# KiCad board BEEWATCH MK2.kicad_pcb (continued)
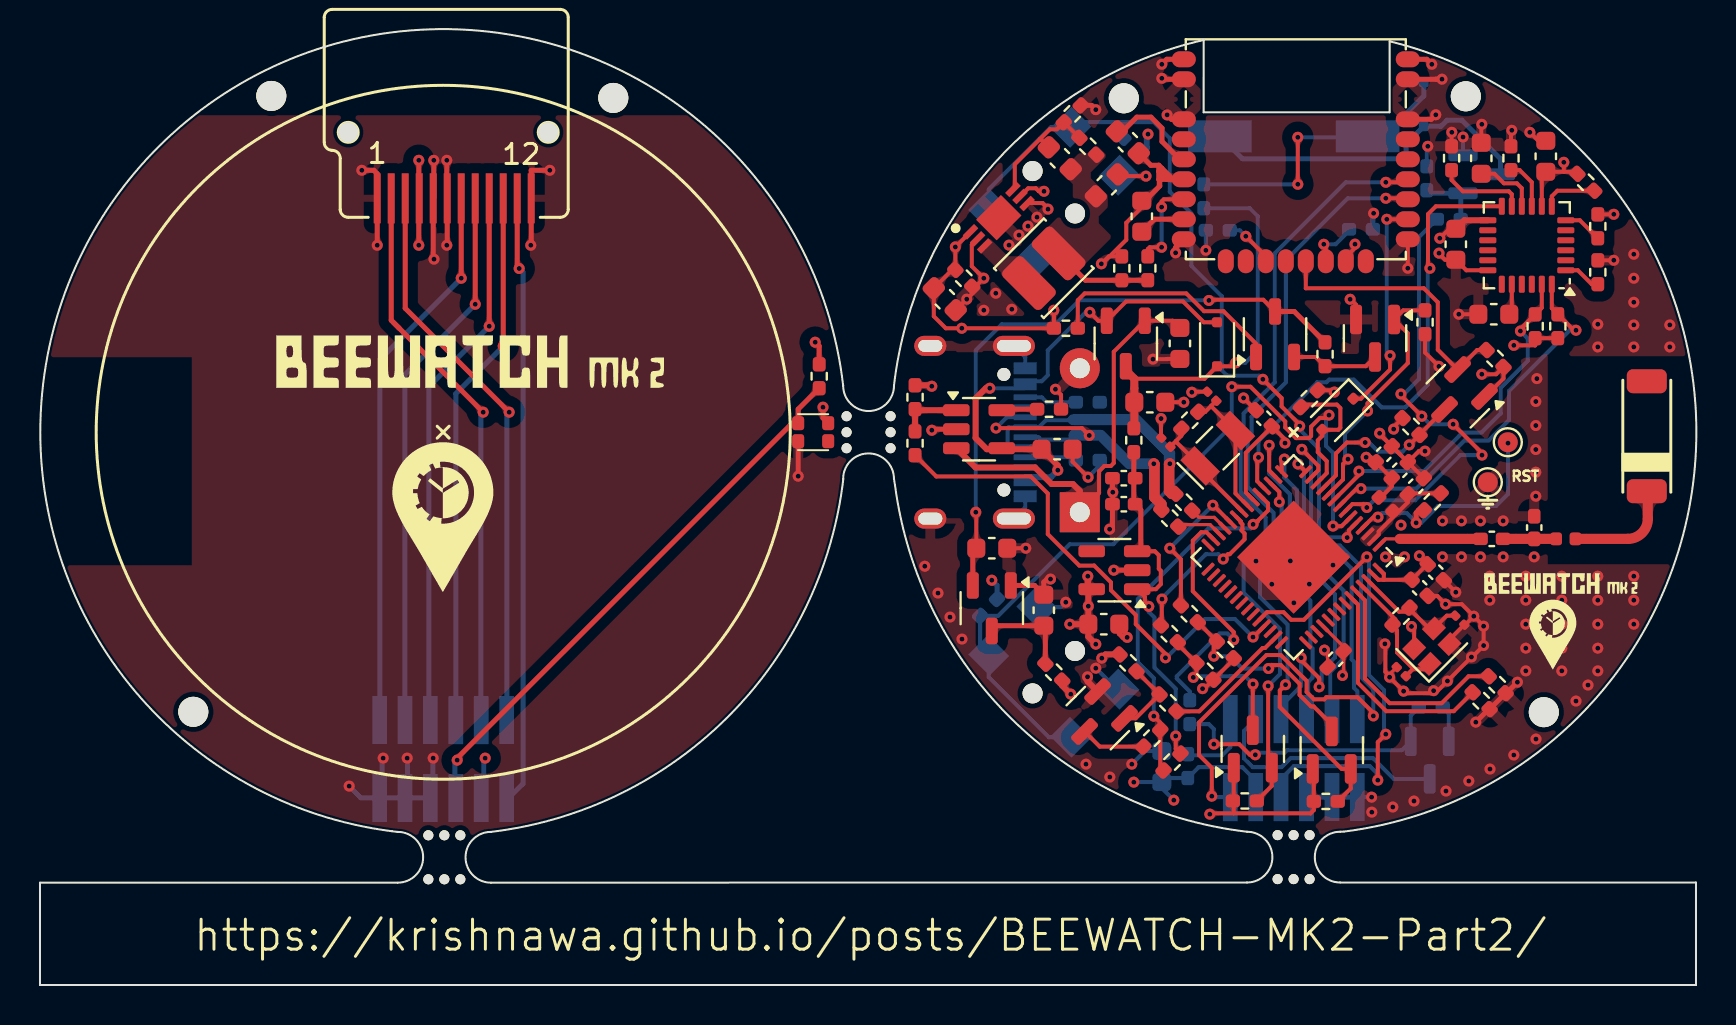
[diagram p0: board, top side]
## Nets (continued)

## Via types
v1: diameter 0.55, hole 0.25, Top to Bottom, 269 vias

## Routing (per net, layer and track width the routed paths; a pad name or vN(x,y) marks a point on that pad's centre or on a via; arc(x,y) is an arc through that point)
+1V8: length 31
  Top w0.2: C31.1 46.82,23.62 v1(46.79,23.64) ; v1(58.44,34.24) 58.45,34.24 58.46,34.24 58.47,34.24 58.5,34.24 58.5,34.24 58.58,34.24 58.59,34.24 58.68,34.24 58.7,34.27 61.17,34.27 Q8.3
  Top w0.25: R24.2 62.71,33.68 Q8.3 ; U8.2 46.64,21.67
  Bottom w0.2: v1(58.44,34.24) 58.43,34.24 51.97,34.24 50.77,33.04 48.09,33.04 46.79,31.74 v1(46.79,23.64)
+3.3V: length 44.4
  Top w0.16: 65.18,16.91 U1.46 ; v1(65.12,15.48) 65.18,15.54 C11.1
  Top w0.2: 76.19,40.67 v1(76.19,41.14) ; 76.19,40.67 C17.1 ; 76.19,40.67 76.77,40.67 ; v1(73.69,31.99) 74.76,31.99 R12.2 ; v1(64.72,29.65) 64.63,29.74 R37.1 ; 67.19,20.26 C5.1 69.37,21.05 ; 67.19,20.26 66.92,20.26 U1.55 ; 67.19,20.26 67.19,20.56 U1.56 ; U1.20 60.29,24.63 60.29,26.61 61.52,27.85 61.59,27.85 ; 70.47,37.82 v1(69.99,37.34) ; 59.69,16.29 R34.2 58.22,14.82 v1(58.13,14.82) ; C10.1 62.25,27.28 v1(62.25,27.1) ; v1(67.68,27.8) 67.68,27.91 R36.2 ; v1(66.31,26.39) 66.54,26.39 C7.1 C8.1 67.59,24.93 66.98,24.33 ; R11.2 74.76,32.35 ; v1(68.97,21.47) C6.1 ; R15.2 78.69,38.54 v1(78.69,38.54) ; U3.8 75.09,40.47
  Top w0.3: v1(52.39,20.44) 52.39,19.99 U5.5 52.42,19.62 v1(52.42,18.94) C24.1 ; v1(44.59,29.94) 44.54,29.99 R22.2 ; C14.1 71.22,38.25 72.39,38.25 ; C24.1 52.42,17.42 v1(52.79,17.04) ; C24.1 v1(51.49,18.04) ; v1(51.54,14.54) 51.11,14.97 R43.1
  Bottom w0.2: 56.29,10.35 R19.2 57.94,10.89 60.11,10.89 60.79,10.22 ; v1(54.69,10.14) 54.7,10.15 C18.1 ; 56.09,9.84 v1(56.69,9.24)
  Bottom w0.25: v1(47.59,20.24) 47.85,19.98 R5.2
  Bottom w0.3: R3.2 55.34,41.85 55.34,42.49 v1(55.4,42.55)
+VBAT: length 19.4
  Top w0.2: 54.72,30.32 58.23,30.32 D2.1 59.61,30.94 v1(59.79,31.12)
  Top w0.4: 54.29,30.74 54.72,30.32 54.72,27.87
  Bottom w0.2: v1(59.79,31.12) 60.26,31.12 60.89,31.74 60.89,38.44 60.49,38.85 R53.1
/Battery&BMS/+3V3_IN: length 4.5
  Top w0.25: C30.1 47.85,17.97 U8.3 ; R43.2 50.27,17.89
/Battery&BMS/+VBAT_IN: length 18.2
  Top w0.2: U5.3 55.74,21.69 55.94,21.49 55.94,20.82 56.04,20.72 56.04,20.04 55.79,19.79 U5.1 55.25,19.41 55.25,19.05 55.37,18.93 v1(55.44,18.93) ; R44.1 56.79,11.81 v1(56.79,12.45)
  Top w0.25: U5.3 55.04,21.87 55.04,23.76 C23.1 ; R48.2 54.69,24.11
  Bottom w0.2: v1(55.44,18.93) 55.44,18.66 55.72,18.38 55.72,15.88 56.79,14.81 v1(56.79,12.45)
/Battery&BMS/VBAT: length 21.1
  Top w0.2: BT1.1 52.95,24.61 52.95,25.69 53.22,25.95 53.54,25.95 53.69,26.1 53.69,31.67 Q3.1 56.64,33.22 C20.1
  Top w0.3: U4.3 46.78,25.88 49.75,25.88 50.58,25.05 51.64,25.05 51.99,24.71 BT1.1
/Display board/3V3: length 8.4
  Top w0.25: R6.2 38.96,31.95 v1(38.76,32.15) ; 39.21,28.9 v1(39.15,28.9) 39.15,28.36 D1.1 ; v1(18.94,41.24) 18.94,39.36 ; 18.94,39.32 v1(18.94,36.99)
  Bottom w0.25: v1(22.26,11.35) 22.19,11.27 22.19,9.36
/RYS8830/+0.92V: length 8.1
  Top w0.2: 55.39,35.24 R28.2 52.28,35.24
  Top w0.25: R49.1 52.27,35.25 L3.2
GND: length 91.9
  Top w0.16: v1(64.22,16.75) 64.38,16.59 C11.2 ; C1.2 67.47,15.52 67.41,15.52
  Top w0.2: v1(69.95,36.6) 69.95,36.57 70.25,36.27 C14.2 71.32,35.74 U3.18 ; 46.77,34.92 v1(47.19,35.34) 46.59,35.94 46.59,37.02 46.92,37.36 ; 67.27,17.04 67.27,15.67 67.41,15.52 67.41,15.46 v1(67.48,15.39) v1(68.18,14.69) 68.28,14.59 69.56,14.59 v1(69.68,14.72) 69.89,14.72 v1(70.37,15.2) v1(71.57,16.4) 71.61,16.4 v1(72.18,16.98) v1(72.18,17.94) 72.18,17.95 v1(71.69,18.44) ; v1(50.4,38.8) 50.4,38.83 50.13,39.11 49.38,39.11 ; v1(69.95,30.94) 69.25,31.63 R50.1 ; C3.2 57.62,29.67 v1(57.59,29.64) ; v1(55.65,31.3) 56.35,31.3 56.36,31.31 C20.2 ; R20.2 51.05,29.51 v1(50.77,29.79) ; v1(55.3,40.45) 53.98,40.45 C29.1 ; 69.19,26.64 v1(69.25,26.7) 68.95,26.7 C8.2 ; 56.06,27.47 56.05,27.48 56.05,28.33 v1(56.05,28.33) ; U7.16 v1(68.39,35.84) ; Q4.2 65.8,34.02 65.53,34.29 v1(65.51,34.29) ; v1(46.34,34.3) C25.2 46.61,34.57 R25.1 ; R13.1 70.58,42.63 v1(70.59,42.64) ; v1(73.59,42.74) 73.55,42.7 R42.1 ; v1(78.69,36.24) 78.69,36.24 R14.1 ; v1(72.09,43.04) 72.06,43.02 C15.2 ; C9.2 C8.2 ; C8.2 66.98,27.56 ; 74.92,42.22 v1(74.49,42.64) ; v1(71.69,18.44) 71.26,18.02 ; v1(71.69,18.44) 71.09,19.04 v1(70.28,19.04) 69.86,19.46 C5.2 ; C10.2 v1(60.18,29.36) ; 66.98,27.56 v1(66.98,27.59) ; 66.98,27.56 C7.2 68.04,26.49 ; Y1.4 68.71,17.77 68.57,17.9 v1(68.57,17.93) ; v1(70.94,33.54) C16.2 ; 70.47,17.28 C2.2 ; v1(57.19,29.14) C21.2 ; v1(52.4,25.39) 51.63,26.17 C19.2 ; C31.2 v1(49.29,21.84) ; C6.2 v1(70.79,19.64)
  Top w0.25: 53.64,24.06 v1(53.64,24.64) 53.62,24.66 C22.2 ; v1(50.53,20.3) 50.35,20.3 50.19,20.15 C30.2 49.73,19.98 U8.1 ; v1(54.36,17.38) 54.15,17.38 53.97,17.57 C24.2 ; U7.7 56.78,36.88 v1(56.78,36.62) ; v1(53.48,22.79) 53.62,22.94 C23.2 ; v1(70.1,45.3) 69.8,45.3 69.8,45.29 U7.G3 ; U7.G2 56.14,45.29 v1(56.09,45.34) ; v1(52.79,43.77) 52.58,43.99 R26.1 ; U7.G1 56.34,46.29 v1(56.09,46.04) ; U4.2 44.64,27.79 v1(44.59,27.74) ; R51.2 R52.1 ; v1(69.59,46.04) 69.34,46.29 U7.G4 ; 72.44,13.79 v1(71.79,13.14) ; 73.32,14.59 v1(73.87,15.14) ; U5.2 v1(53.69,20.74) ; v1(56.36,43.51) 56.58,43.29 U7.1 ; U7.22 69.57,43.29 v1(69.79,43.52)
  Top w0.3: v1(52.38,15.41) 52.38,15.18 Q9.2 ; v1(53.09,16.34) 53.28,16.53 R47.2
  Bottom w0.2: J1.B1 49.26,31.4 J1.S1 ; 52.99,25.98 v1(52.4,25.39) ; v1(69.39,41.94) 69.34,41.89 R10.1 ; v1(54.59,11.04) 55.25,11.7 C18.2 ; J3.12 v1(66.58,9.39) ; J1.S1 49.26,23.89 J1.A1 ; v1(51.29,19.14) 51.04,18.9 SW2.4 ; 53.84,14.8 v1(52.79,15.84) ; R29.1 v1(58.29,36.74) ; Q2.2 70.44,13.58 R18.2 ; Q1.2 v1(71.15,42.41)
  Bottom w0.25: R30.1 66.64,38.56 v1(66.68,38.59) ; J3.8 J3.12
  vias: v1(44.24,20.94) v1(44.9,19.6) v1(45.5,18.4) v1(46.1,17.3) v1(47.19,33.74) v1(47.79,34.59) v1(48.45,37) v1(48.59,33.79) v1(48.95,37.5) v1(49.4,37.95) v1(49.85,38.4) v1(52.3,11.04) v1(53.49,10.4) v1(60.8,21.2) v1(61.59,20.04) v1(62.52,21.21) v1(62.69,19.11) v1(63.47,20.05) v1(64.65,21) v1(66.59,8.64) v1(67.27,21.41) v1(67.25,17.06) v1(67.64,8.9) v1(68.05,23) v1(68.22,21.41) v1(68.7,9.2) v1(70.12,23.21) v1(70.12,21.41) v1(70.3,9.7) v1(71.07,23.21) v1(71.07,21.41) v1(71.44,10.2) v1(72.02,23.21) v1(72.02,21.41) v1(72.49,20.44) v1(72.49,19.24) v1(72.5,10.8) v1(73.16,23.21) v1(73.16,21.41) v1(73.69,11.5) v1(74.29,20.44) v1(74.29,19.24) v1(74.29,18.04) v1(74.29,16.84) v1(74.29,15.71) v1(74.79,29.18) v1(74.79,27.98) v1(74.79,26.78) v1(74.79,25.64) v1(74.79,24.44) v1(74.71,21.41) v1(74.8,12.3) v1(74.84,30.33) v1(76.09,20.44) v1(76.09,19.24) v1(76.09,18.04) v1(76.09,16.84) v1(76.09,15.71) v1(76.8,14.2) v1(77.4,15) v1(77.89,33.04) v1(77.89,31.91) v1(77.89,20.44) v1(77.89,19.24) v1(77.89,18.04) v1(77.89,16.84) v1(77.89,15.71) v1(79.69,36.54) v1(79.69,35.34) v1(79.69,34.14) v1(79.69,33.01) v1(79.69,31.91) v1(79.69,20.44) v1(79.69,19.24) v1(79.69,18.04) v1(81.49,33.01) v1(81.49,31.91)
VBUS: length 24.1
  Top w0.2: D2.2 58.19,33.14 57.15,34.18 54.3,34.18 Q3.2 52.92,33.22 v1(52.49,33.64)
  Top w0.3: v1(50.89,25.74) 50.89,25.98 C19.1 47.34,26.79 46.78,27.35 46.78,29.33 47.29,29.84 v1(47.49,29.84)
  Bottom w0.2: 49.21,29.84 v1(47.49,29.84) ; J1.A9 50.09,30.19 50.39,30.5 50.39,31.74 52.29,33.64 v1(52.49,33.64)
  Bottom w0.3: v1(50.89,25.74) 50.54,25.39 J1.B9
VDD3P3_RTC: length 4.8
  Top w0.2: L1.1 67.8,23.54 ; 67.8,23.54 66.93,22.68 66.93,22.54 U1.2 ; 67.8,23.54 68.39,24.13 C9.1 ; R40.2 68.44,24.59
/ACCELEROMETER/MPU_INT: length 25.8
  Top w0.2: v1(60.93,26.39) 60.86,26.32 60.86,25.19 U1.18 ; U3.12 69.79,38.94 69.4,38.55 69.4,35.93 v1(69.5,35.84)
  Bottom w0.2: v1(69.5,35.84) 69.39,35.73 69.39,30.01 68.26,28.89 67.08,28.89 65.69,30.28 64.46,30.28 64.33,30.14 63.86,30.14 60.93,27.21 v1(60.93,26.39)
/ACCELEROMETER/MPU_SCL: length 19.5
  Top w0.2: 75.03,33.81 73.99,32.77 73.99,32.73 v1(74.02,32.7) 74.03,32.71 74.03,32.79 74.76,33.52 ; 75.03,33.81 R12.1 ; 75.03,33.81 75.09,33.87 U3.23 ; v1(65.95,25.7) 66.04,25.61 66.04,25.6 U1.9
  Bottom w0.2: v1(65.95,25.7) 69.2,25.7 71.12,27.63 72.08,27.63 73.04,28.59 73.04,29.86 74.39,31.22 74.39,32.33 v1(74.02,32.7)
/ACCELEROMETER/MPU_SDA: length 19.2
  Top w0.2: v1(76.8,32.74) 76.7,32.84 76.59,32.84 R11.1 75.59,33.84 U3.24 ; U1.8 65.83,24.82 v1(66.05,24.82)
  Bottom w0.2: v1(66.05,24.82) 68.82,24.82 71.22,27.23 72.43,27.23 73.45,28.25 73.45,29.71 76.48,32.74 v1(76.8,32.74)
/Battery&BMS/BAT_SENSE_EN: length 6.5
  Top w0.2: R46.1 57.96,13.69 61.13,16.85 61.25,16.85 U1.41
/Battery&BMS/CHG_ST: length 24.9
  Top w0.2: v1(56.27,16.36) 56.27,16.56 54.79,18.04 54.79,18.5 53.55,19.74 53.55,20.13 52.71,20.98 51.96,20.98 50.39,22.55 50.39,24.58 49.54,25.43 44.82,25.43 R21.2 ; U1.39 60.67,17.4 v1(60.65,17.4)
  Bottom w0.2: v1(60.65,17.4) 59.75,18.3 58.25,18.3 56.31,16.36 v1(56.27,16.36)
/Display board/_GND: length 30.4
  Top w0.25: v1(24.54,36.99) 24.56,37.02 DS1.12 24.56,40.74 v1(25.49,40.74) ; v1(20.34,41.24) 20.34,39.36 ; v1(16.09,40.74) 16.69,40.74 16.86,40.57 DS1.1 v1(16.86,36.99) ; v1(19.7,36.3) 19.66,36.34 DS1.5 ; D1.3 v1(37.91,25.45) ; v1(19.69,41.24) 19.69,39.37 ; DS1.6 20.36,37.02 v1(20.34,36.99)
  Bottom w0.25: 17.11,9.36 17.11,11.29 v1(17.16,11.35) ; v1(19.66,11.35) 19.65,11.33 19.65,9.36 16.04,9.36 v1(15.46,9.95) ; 18.38,9.36 18.38,11.33 v1(18.36,11.35)
/Display board/_LED: length 28.4
  Top w0.25: v1(20.86,11.25) 20.86,11.35 37.61,28.1 D1.2 ; D1.2 37.91,28.8 R6.1 ; D1.2 37.71,28.1
  Bottom w0.25: v1(20.86,11.25) 20.74,11.13 20.74,9.39
/Display board/CS: length 27.4
  Top w0.25: DS1.8 v1(21.76,34.04)
  Bottom w0.25: v1(21.76,34.04) 18.24,30.52 18.24,13.4
/Display board/D/C: length 27.6
  Top w0.25: DS1.7 v1(21.06,35.34)
  Bottom w0.25: v1(21.06,35.34) 16.99,31.27 16.99,13.38
/Display board/LED_A: length 28.2
  Top w0.25: v1(23.46,28.65) 18.26,33.84 DS1.3
  Bottom w0.25: 23.34,13.38 23.34,28.53 v1(23.46,28.65)
/Display board/LED_K: length 28.3
  Top w0.25: v1(22.16,28.65) 17.95,32.85 ; 17.95,32.85 17.66,33.15 ; 17.95,32.85 17.56,33.24 DS1.2
  Bottom w0.25: v1(22.16,28.65) 22.04,28.53 22.04,13.41
/Display board/RST: length 30.4
  Top w0.25: v1(23.96,35.83) 23.86,35.93 DS1.11
  Bottom w0.25: v1(23.96,35.83) 24.15,35.64 24.15,10.06 23.46,9.36
/Display board/SCK: length 27.1
  Top w0.25: DS1.9 v1(22.46,32.94)
  Bottom w0.25: v1(22.46,32.94) 19.44,29.92 19.44,13.47
/Display board/SDI: length 26.9
  Top w0.25: DS1.10 v1(23.16,31.94)
  Bottom w0.25: 20.79,13.39 20.79,29.57 v1(23.16,31.94)
/Display/LED: length 24.4
  Top w0.2: v1(67.29,12.54) 66.89,12.14 v1(66.89,10.24) ; v1(66.34,21.41) 63.2,18.26 62.56,18.26 62.18,18.64 61.35,18.64 U1.38
  Bottom w0.2: 66.43,21.41 v1(66.34,21.41) 66.45,21.3 66.45,15.5 67.2,14.75 67.2,12.63 v1(67.29,12.54) ; v1(66.89,10.24) 66.89,10.54 66.49,10.94 62.69,10.94 62.06,10.31
/Display/TFT_CS: length 15.1
  Top w0.2: v1(62.22,26.3) 62.08,26.16 U1.15
  Bottom w0.2: 64.51,13.38 64.51,15.65 65.18,16.32 65.18,19.72 64.07,20.83 64.07,21.04 62.85,22.26 62.85,24.75 62.22,25.38 v1(62.22,26.3)
/Display/TFT_D/C: length 15
  Top w0.2: U1.14 v1(62.9,26.06)
  Bottom w0.2: J3.11 65.87,14.69 65.7,14.86 65.7,16.17 65.58,16.28 65.58,20.83 64.83,21.58 64.02,21.58 63.2,22.41 63.2,25.76 v1(62.9,26.06)
/Display/TFT_LED_PIN: length 12.5
  Top w0.2: U1.27 58.32,22.64 58.06,22.64 57.64,22.22 57.64,19.69 59.69,17.65 v1(59.69,17.26)
  Bottom w0.2: v1(59.69,17.26) 59.37,17.58 58.98,17.58 56.84,15.44 56.84,15.33 57.49,14.68 R17.1
/Display/TFT_LEDA: length 3.6
  Bottom w0.2: J3.1 59.52,11.89 59.11,11.49 57.45,11.49
/Display/TFT_LEDK: length 12.3
  Bottom w0.2: J3.3 60.2,12.71 60.2,11.33 60.64,10.89 62.08,10.89 62.52,11.34 66.65,11.34 67.69,10.31 Q2.3
/Display/TFT_RST: length 34
  Top w0.2: v1(66.67,13.46) 66.67,13.6 65.87,14.39 64.33,14.39 64.22,14.28 63.7,14.28 63.33,14.65 63.33,15.21 62.04,16.5 61.32,16.5 57.95,13.13 57.95,11.5 58.59,10.86 v1(58.59,9.44) ; U1.13 63.92,25.74 63.92,25.96 v1(63.09,26.79)
  Bottom w0.2: v1(58.59,9.44) 58.64,9.39 J3.2 ; v1(63.09,26.79) 63.55,26.33 63.55,22.55 64.12,21.98 64.99,21.98 66.05,20.93 66.05,15.4 66.66,14.79 66.66,13.46 v1(66.67,13.46)
/Display/TFT_SCK: length 12.8
  Top w0.2: v1(61.97,24.16) 61.97,24.66 U1.17
  Bottom w0.2: 63.41,13.38 63.41,15.16 63.63,15.37 63.63,16.82 63.52,16.93 63.52,19.22 61.89,20.84 61.89,21.47 62.08,21.65 62.08,24.05 v1(61.97,24.16)
/Display/TFT_SDI: length 20.1
  Top w0.2: v1(63.96,14.91) 63.96,15.34 63.06,16.25 v1(63.06,16.37) ; v1(61.46,26.99) 61.46,25.73 U1.16
  Bottom w0.2: v1(63.06,16.37) 63.06,14.96 62.22,14.12 62.06,14.12 ; v1(63.96,14.91) 64.09,15.04 64.09,15.72 64.75,16.38 64.75,19.54 63.64,20.65 63.64,20.97 62.49,22.11 62.49,24.54 61.46,25.58 v1(61.46,26.99)
/ESP32/BAT_VSENSE: length 18.5
  Top w0.2: v1(55.69,13.44) 56.01,13.12 R45.1 56.01,10.89 R44.2 ; U1.19 61.4,24.09 61.4,23.73 60.89,23.22 60.89,23.19 60.74,23.04 v1(60.66,23.04)
  Bottom w0.2: v1(60.66,23.04) 60.66,22.96 60.54,22.84 58.42,22.84 54.89,19.3 54.89,16.14 55.69,15.34 v1(55.69,13.44)
/ESP32/BUZZER_EN: length 23.1
  Top w0.2: v1(66.34,23.88) 66.17,24.05 65.62,24.05 U1.7 ; v1(69.09,28.44) 68.05,29.49 v1(68.05,29.55) ; v1(72.1,26.5) 72.1,26.6 v1(70.66,28.04)
  Bottom w0.2: v1(70.66,28.04) 69.49,28.04 v1(69.09,28.44) ; v1(68.05,29.55) 68.2,29.55 68.95,30.3 68.95,37.4 R9.1 ; v1(66.34,23.88) 66.71,24.24 68.76,24.24 71.02,26.5 v1(72.1,26.5)
/ESP32/D+: length 16.1
  Top w0.2: v1(47.8,27.85) 52.1,27.85 v1(52.47,27.48)
  Top w0.533: R8.1 56.07,24.05 55.72,24.39 55.72,26.04 v1(55.69,26.07)
  Bottom w0.2: 51.69,27.49 51.47,27.27 50.05,27.27 49.93,27.39 J1.A6 ; v1(47.8,27.85) 48.34,28.39 J1.B6
  Bottom w0.533: 51.69,27.49 53.04,27.49 54.46,26.07 v1(55.69,26.07)
/ESP32/D-: length 18.9
  Top w0.533: R7.1 56.59,24.57 56.46,24.7 56.46,26.04 v1(56.49,26.07)
  Bottom w0.2: 51.49,28.24 50.29,28.24 49.94,27.89 J1.A7 48.43,27.89 48.38,27.85 48.38,26.94 48.43,26.89 J1.B7
  Bottom w0.533: 51.65,28.27 54.8,28.27 56.46,26.61 56.46,26.1 v1(56.49,26.07) 56.49,26.58 54.8,28.27 51.69,28.27
/ESP32/GPS_EN: length 12.5
  Top w0.2: v1(65.4,26.3) 65.15,26.05 65.15,25.28 U1.10 ; v1(66.38,28.71) 66.38,29.09 68.39,31.1 68.39,32.59 Q4.1 68.16,33.74 R50.2
  Bottom w0.2: v1(65.4,26.3) 65.25,26.45 65.25,27.58 v1(66.38,28.71)
/ESP32/GPS_PSS: length 7
  Top w0.2: U1.12 64.34,25.6 64.34,26.2 63.89,26.65 63.89,27.24 64.11,27.46 D3.2 64.92,27.77 65.02,27.87 65.02,28.85 64.84,29.03 63.17,29.03
/ESP32/GPS_RST: length 8.7
  Top w0.2: U1.11 64.8,25.49 64.8,26.58 65.35,27.13 v1(66.26,27.13) ; 68.97,27.53 Q7.3 ; R36.1 68.59,27.12 68.58,27.12 v1(68.46,27.01)
  Bottom w0.2: v1(66.26,27.13) 66.45,27.13 66.91,26.67 68.12,26.67 v1(68.46,27.01)
/ESP32/GPS_RXD: length 7.4
  Top w0.2: U1.24 58.67,23.99 v1(58.64,23.99) ; R39.2 57.05,21.29 v1(56.49,21.84)
  Bottom w0.2: v1(58.64,23.99) v1(56.49,21.84)
/ESP32/GPS_TXD: length 8.3
  Top w0.2: U1.23 60.03,23.19 60.03,23.13 60.12,23.04 60.12,22.79 60.07,22.74 60.23,22.58 60.23,22.29 59.49,21.54 59.4,21.54 v1(59.16,21.3) ; v1(56.1,19.3) 56.09,19.29 56.09,18.03 R38.2
  Bottom w0.2: v1(56.1,19.3) 56.1,19.35 58.29,21.54 58.92,21.54 v1(59.16,21.3)
/ESP32/IO0: length 39.3
  Top w0.2: v1(61.14,30.29) 62.08,29.35 62.08,28.93 62.94,28.08 62.94,28 v1(62.98,27.95) ; U1.5 65.44,22.74 65.44,22.42 65.4,22.38 v1(65.36,22.38)
  Bottom w0.2: 53.95,43.15 54.4,43.15 ; 53.95,43.15 53.97,43.15 54.17,42.95 54.2,42.95 54.4,43.15 ; 53.95,43.15 51.79,43.15 51.61,42.97 ; 54.4,43.15 55.68,43.15 56.49,42.34 56.49,39.67 57.57,38.59 57.57,35.97 59.09,34.44 59.09,30.74 59.37,30.47 60.97,30.47 v1(61.14,30.29) ; v1(62.98,27.95) 63.03,27.9 63.03,27.73 63.95,26.81 63.95,22.65 64.21,22.39 65.34,22.39 v1(65.36,22.38) ; SW1.1 47.44,39.79 50.54,42.9 SW1.2
  Bottom w0.25: 54.17,43.12 R3.1
/ESP32/IO1: length 40.1
  Top w0.2: v1(59.59,29.92) 60.53,29.92 62.26,28.18 62.26,27.89 62.8,27.35 63.45,27.35 63.56,27.46 63.56,27.92 63.99,28.35 64.3,28.35 v1(64.45,28.5) ; v1(64.65,22.95) 64.66,22.94 65.08,22.94 U1.6
  Bottom w0.2: v1(64.65,22.95) 64.65,26.61 64.3,26.96 64.3,28.35 v1(64.45,28.5) ; v1(59.59,29.92) 59.59,27.97 53.66,22.04 51.49,22.04 47.91,18.46 R5.1 47.01,16.92 ; SW2.2 47.44,15.4 50.44,12.39 SW2.1
/ESP32/USB_D+: length 2.1
  Top w0.16: U1.26 58.51,23.02 57.02,23.02
/ESP32/USB_D-: length 2
  Top w0.16: U1.25 58.71,23.39 57.95,23.39 R7.2
/ESP32/XTAL_32K_N: length 5.8
  Top w0.2: 56.82,27.22 56.82,27.15 Y2.1 ; 56.82,27.22 57.07,27.47 R4.2 ; 56.82,27.22 C4.1 ; 58.01,25.79 U1.22
/ESP32/XTAL_32K_P: length 6.9
  Top w0.2: U1.21 59.77,24.58 Y2.2 58.57,28.94 58.57,28.97 ; 58.57,28.97 58.27,28.67 R4.1 ; 58.57,28.97 C3.1
/ESP32/XTAL_N: length 6.6
  Top w0.2: 68.64,15.79 69.22,15.79 Y1.1 ; 68.64,15.79 C1.1 ; 68.64,15.79 68.64,15.84 67.85,16.63 67.85,17.74 67.77,17.82 67.77,18.29 U1.53
/ESP32/XTAL_P: length 5.4
  Top w0.2: Y1.3 70.34,18.47 C2.1 ; U1.54 67.95,18.67 68.61,18.67 69.45,17.83
/RYS8830/FB: length 6.2
  Top w0.2: C28.2 50.04,42.29 49.99,42.29 ; 48.74,39.88 48.74,41.04 49.99,42.29 ; 49.99,42.29 50.49,42.79 50.84,42.79 R26.2 R27.1
/RYS8830/GNSS_+1.8V: length 101.3
  Top w0.2: 63.69,10.75 R32.2 63.69,8.75 63.53,8.59 58.53,8.59 v1(58.49,8.54) ; 55.96,40.29 55.94,40.27 55.94,39.94 ; 59.69,9.16 59.69,8.59 ; 45.61,35.77 C25.1 44.69,33.44 45.29,32.84 R41.1 50.7,33.74 v1(50.69,33.74) ; 55.09,38.89 54.31,38.12 54.31,37.27 53.11,36.07 v1(53.07,36.07) 53.44,36.44 R28.1 ; 46.57,37.71 v1(45.77,36.91) R25.2 ; v1(50.2,39.69) 49.94,39.69 49.79,39.84 49.41,39.84 48.96,39.39 ; 65.29,36.4 65.75,36.86 v1(65.75,37.05) ; v1(72.09,30.54) 72.81,30.54 R33.2 73.17,30.33 72.28,29.44 ; Q5.1 59.69,9.25
  Top w0.25: 55.94,40.69 55.94,40.29 56.09,40.29 ; 55.94,40.69 56.09,40.84 ; 55.94,40.69 55.94,40.99 ; 55.94,40.69 56.09,40.54 ; 56.09,40.84 56.64,40.29 U7.4 ; 56.09,40.84 56.09,40.54 ; 56.09,40.84 55.94,40.99 ; 55.94,40.99 55.54,40.99 C27.2 ; 56.09,40.54 56.09,40.29 ; 56.09,40.54 56.34,40.29 U7.4 ; 56.09,40.29 U7.4 ; 55.09,39.44 55.48,39.44 55.99,39.96 55.99,40.29
  In2.Cu w0.2: v1(72.09,30.54) 65.81,36.82 65.81,36.92 65.75,36.98 v1(65.75,37.05) 65.75,36.86 64.96,36.07 v1(53.07,36.07) 50.75,33.74 v1(50.69,33.74) ; v1(46.09,32.84) 46.09,20.94 v1(58.49,8.54) ; v1(50.2,39.69) 49.34,39.69 46.56,36.91 v1(45.77,36.91)
/RYS8830/PPS: length 11.2
  Top w0.2: v1(67.5,31.48) 67.5,30.78 66.05,29.32 D3.1 ; U7.17 v1(67.34,38.29)
  Bottom w0.2: v1(67.5,31.48) 67.49,31.47 67.45,31.47 67.42,31.44 67.4,31.44 67.34,31.49 v1(67.34,38.29)
/RYS8830/RXD: length 38.2
  Top w0.2: R31.1 61.59,9.96 Q5.2 ; 61.41,11.05 v1(61.41,14.96) ; v1(67.29,40.14) 68.24,40.14
  Bottom w0.2: v1(61.41,14.96) 62,15.55 62,17.8 60.18,19.62 60.18,21.53 61.28,22.64 61.28,23.38 60.04,24.62 60.04,27.45 60.18,27.59 60.18,28.58 61.74,30.14 61.74,36.59 65.29,40.14 v1(67.29,40.14) ; 61.45,14.91 61.43,14.89
/RYS8830/TXD: length 38.7
  Top w0.2: v1(62.28,15.02) 61.99,14.73 61.99,13.9 65.09,10.81 Q6.2 65.54,9.83 R32.1 ; v1(67.29,39.34) 68.34,39.34
  Bottom w0.2: v1(62.28,15.02) 62.38,15.12 62.38,18.02 61,19.4 61,20.57 61.54,21.11 61.54,21.61 61.68,21.75 61.68,23.61 60.39,24.9 60.39,27.3 60.58,27.5 60.58,28.42 62.29,30.13 62.29,36.25 65.39,39.34 v1(67.29,39.34)
GNSS_+1V8: length 12.2
  Top w0.2: R41.2 51.89,34.24 52.23,34.59 57.31,34.59 58.21,33.69 59.18,33.69 60.8,32.07 Q8.1
Net-(AE1-FEED): length 5.7
  Top w0.508: 80.39,24.79 80.39,23.31 arc(80.1,22.6) 79.39,22.31 L2.2
Net-(BZ1-+): length 14.1
  Top w0.2: v1(62.89,40.04) v1(62.89,42.39)
  Bottom w0.2: R53.2 62.89,40.04 v1(62.89,40.04) ; v1(62.89,42.39) 66.33,42.39 BZ1.1
  Bottom w0.25: 67.18,42.44 69.19,44.46 D4.1
Net-(BZ1--): length 17.3
  Bottom w0.25: Q1.3 73.03,41.32 71.1,43.24 70.34,43.24 70.04,42.94 D4.2 68.3,42.06 68.3,41.32 60.12,41.32 BZ1.2
Net-(C12-Pad2): length 2.6
  Top w0.508: L2.1 C12.2
Net-(J1-CC1): length 2.4
  Bottom w0.2: J1.A5 51.64,26.39
Net-(J1-CC2): length 2.6
  Bottom w0.2: R2.1 50.34,29.14 50.09,29.39 J1.B5
Net-(Q1-G): length 2.8
  Bottom w0.25: Q1.1 69.49,39.59 ; R9.2 71.04,39.48
Net-(Q2-G): length 14.3
  Top w0.2: v1(60.77,11.51) 60.49,11.51 59.96,12.04 v1(58.69,12.04)
  Bottom w0.2: R18.1 68.54,13.48 Q2.1 68.1,11.74 62.36,11.74 62.23,11.62 60.87,11.62 v1(60.77,11.51) ; R17.2 58.44,13.05 58.69,12.8 v1(58.69,12.04)
Net-(Q4-D): length 4.4
  Top w0.2: Q8.2 63.79,31.41 R24.1 66.29,30.95 Q4.3
Net-(Q5-D): length 7.6
  Top w0.2: v1(57.67,15.38) 57.82,15.54 R34.1 56.89,17.04 ; Q5.3 60.64,14.91 60.65,14.92 v1(60.65,15.05)
  Bottom w0.2: v1(60.65,15.05) 60.25,15.45 59.55,15.45 59.54,15.44 57.73,15.44 v1(57.67,15.38)
Net-(Q6-D): length 10.1
  Top w0.2: v1(61.42,15.83) 61.42,15.83 61.59,16 62.04,16 62.98,15.06 62.98,14.51 63.55,13.93 63.68,13.93 64.59,13.02 Q6.3 ; R39.1 R35.1 ; v1(58.69,16.44) 58.69,17.03
  Bottom w0.2: v1(58.69,16.44) 59.49,16.44 60.11,15.83 v1(61.42,15.83)
Net-(Q7-S): length 13.9
  Top w0.2: R33.1 71.86,31.75 Q7.2 69.89,31.77 69.89,34.14 69.19,34.84 63.29,34.84 U7.12
Net-(Q9-D): length 3.3
  Top w0.2: R45.2 52.99,11.92 Q9.3
Net-(Q9-G): length 3.9
  Top w0.2: Q9.1 54.78,13.34 R46.2 R47.1
Net-(U1-CHIP_PU): length 11.8
  Top w0.2: U1.4 66.81,23.54 66.82,23.54 66.83,23.53 66.83,23.47 v1(66.9,23.4)
  Top w0.25: 68.94,23.74 68.81,23.61 v1(68.81,23.11)
  Bottom w0.2: v1(73.4,27.1) 73.4,24.55 72.8,23.95 69.9,23.95 69.06,23.11 v1(68.81,23.11) 68.81,23.12 68.33,23.6 67.1,23.6 v1(66.9,23.4)
Net-(U1-GPIO45): length 11.1
  Top w0.2: U1.51 65.9,19.03 65.9,15.11 67.32,13.69 70.69,13.69 R51.1
Net-(U1-GPIO46): length 11.8
  Top w0.2: U1.52 66.25,19.24 66.25,15.32 67.48,14.09 70.08,14.09 71.43,15.44 R52.2
Net-(U1-LNA_IN): length 5.2
  Top w0.16: 67.99,22.31 67.27,22.31 U1.1
  Top w0.508: C12.1 67.99,22.31
Net-(U3-AD0): length 2.5
  Top w0.2: R42.2 73.98,40.75 74.59,40.14 U3.9
Net-(U3-AUX_CL): length 2.7
  Top w0.2: U3.7 75.59,39.44 75.87,39.72 R16.1
Net-(U3-AUX_DA): length 2
  Top w0.2: R15.1 76.99,38.24 U3.6
Net-(U3-CLKIN): length 1.9
  Top w0.2: R14.2 77.59,35.05 76.89,35.74 U3.1
Net-(U3-CPOUT): length 1.4
  Top w0.2: U3.20 73.59,33.67
Net-(U3-FSYNC): length 4.4
  Top w0.2: R13.2 70.58,40.25 71.14,39.69 73.44,39.69 73.59,39.54 U3.11
Net-(U3-REGOUT): length 3.2
  Top w0.2: C15.1 72.72,40.57 73.19,40.09 73.84,40.09 74.09,39.84 U3.10
Net-(U4-PROG): length 1.7
  Top w0.25: R20.1 48.14,28.79
Net-(U4-STAT): length 3.1
  Top w0.3: U4.1 43.81,28.74 ; R21.1 R22.1
Net-(U7-LDO1_OUT): length 2.4
  Top w0.25: U7.6 55.72,38.29 C26.1
Net-(U7-LDO2_OUT): length 4.9
  Top w0.25: C27.1 54.13,42.69 54.84,43.4 55.55,43.4 56.1,42.85 56.1,42.18 56.99,41.29 U7.3
Net-(U7-LDO_IN): length 4.5
  Top w0.2: v1(56.08,36.89) 55.49,36.89 55.39,36.8 R49.2 ; v1(56.08,38.9) 56.08,39.18 56.19,39.29 U7.5
  Bottom w0.2: v1(56.08,38.9) v1(56.08,36.89)
Net-(U7-P06/BOOT_REC): length 2.3
  Top w0.2: v1(60.29,37.44) 61.29,36.44
  Bottom w0.2: v1(60.29,37.44) 59.99,37.74 R29.2
Net-(U7-RTC_CLK_IN): length 2.4
  Top w0.2: v1(64.19,37.04) 64.29,36.94 U7.13
  Bottom w0.2: v1(64.19,37.04) 64.78,37.04 65.45,37.71

## Copper pours and planes (outline as drawn; the poured copper is in the pictures)
+3.3V on In2.Cu: 83.09,47.54 83.09,7.44 42.29,7.44 42.29,47.54
/Display board/3V3 on In2.Cu: -0.04,47.85 40.36,47.85 40.36,7.35 40.26,7.25 0.06,7.25 0.06,47.75
/Display board/3V3 on In2.Cu: -0.04,47.85 40.36,47.85 40.36,7.35 40.26,7.25 0.06,7.25 0.06,47.75
/RYS8830/+0.92V on Top: 50.04,37.19 50.04,37.54 51.64,39.14 51.64,40.04 51.04,40.69 51.94,41.59 52.39,41.59 52.74,41.94 52.89,41.94 53.29,41.54 53.29,41.39 52.54,40.64 52.54,40.34 53.39,39.49 53.39,38.89 52.94,38.44 52.94,38.09 53.54,37.49 53.54,37.34 51.99,35.79 51.49,35.79 50.09,37.19
GND on Top: 83.09,47.54 83.09,7.44 42.29,7.44 42.29,47.54
GND on Bottom: 83.09,47.54 83.09,7.44 42.29,7.44 42.29,47.54
GND on In1.Cu: 83.09,47.54 83.09,7.44 42.29,7.44 42.29,47.54
VDD3P3_RTC on Top: 65.99,22.34 65.99,22.24 66.29,21.94 66.49,21.94 68.79,24.24 68.79,24.54 68.49,24.84 68.29,24.84 67.09,23.64 67.09,23.44
/Display board/_GND on Top: -0.04,47.85 40.36,47.85 40.36,7.35 40.26,7.25 0.06,7.25 0.06,47.75
/Display board/_GND on Bottom: -0.04,47.85 40.36,47.85 40.36,7.35 40.26,7.25 0.06,7.25 0.06,47.75
/Display board/_GND on In1.Cu: -0.04,47.85 40.36,47.85 40.36,7.35 40.26,7.25 0.06,7.25 0.06,47.75
/RYS8830/SW on Top: 47.29,37.14 46.94,36.79 46.94,36.74 48.04,35.64 48.04,35.49 48.14,35.39 49.14,36.39 49.09,36.44 48.39,36.44 47.49,37.34 47.24,37.09 47.29,37.09

Small or netless copper shapes (teardrops, artwork), in the pictures only: 428 on Top, 165 on Bottom, 10 on In2.Cu

## Text on the board
B.Silkscreen: The first true PCB (Printed Circuit Board) was invented by Paul Eisler in 1936 in Austria. / He used it in a radio prototype. | Everyone: / You can't use PCB / for mems / Me:
F.Silkscreen: RST | https://krishnawa.github.io/posts/BEEWATCH-MK2-Part2/
User.1: Symbol		Count		Hole Size		Plated | Drill Drawing (Top View) (Scale 1:3) | 268			0.25mm		Plated | 4 slots		0.6mm			Plated | 2			1mm			Plated | 18			0.5mm		 	Unplated | 2			0.65mm		Unplated | 6			1mm			Unplated | 6			1.5mm			Unplated
User.2: ASSEMBLY NOTES (UNLESS OTHERWISE SPECIFIED) / 1. All components must be placed and soldered as per the latest Bill of Materials (BOM) and assembly drawings. / 2. Unless otherwise specified, all polarized components (diodes, electrolytic capacitors, etc.) must be assembled with correct orientation. / 3. Ensure correct placement and orientation of ICs, connectors, and LEDs as per silkscreen markings. / 4. Clean the PCB after soldering to remove all flux residues and contaminants. / 5. Use ESD-safe practices during handling and assembly of the PCB. / 6. Do not substitute components without prior approval. / 7. Verify all mechanical components (connectors, switches, etc.) for correct alignment and secure fitting. / 8. Apply solder paste using the stencil provided or per Gerber paste layer. / 9. Follow IPC-A-610 Class 2 (or Class 3, if applicable) workmanship standards. / 10. All surface-mount components should be reflow soldered. Through-hole components should be hand-soldered unless specified otherwise. / 11. No visible solder bridges, cold joints, or misalignments are allowed. / 12. All assembled PCBs must pass visual inspection and functional testing (if applicable). / 13. Include fiducials on board corners for pick-and-place machine alignment. / 14. Do not apply conformal coating unless instructed. / 15. Handle boards by the edges. Avoid touching component surfaces. | Top Assembly (Scale 1:3)
User.3: Bottom Assembly (Scale 1:3)
User.4: F.Silkscreen | F.Paste | F.Mask | F.Cu | Dielectric | In1.Cu | In2.Cu | B.Cu | B.Mask | B.Paste | B.Silkscreen | Top Silk Screen | Top Solder Paste | Top Solder Mask | copper | prepreg | core | Bottom Solder Mask | Bottom Solder Paste | Bottom Silk Screen | Not specified | FR4 | 0 mm | 0.01 mm | 0.035 mm | 0.1 mm | 1.24 mm | Layer Name | Type | Material | Thickness (mm) | Color | FABRICATION NOTES (UNLESS OTHERWISE SPECIFIED) / 1) 	OUTLINE DEFINED IN SEPARATE GERBER FILE WITH / {dblquote}Edge_Cuts.GBR{dblquote} SUFFIX. / DIMENSIONS OF CIRCUMSIZED RECTANGLE SHOWN / ON THIS DWG FOR REF ONLY. / 2) 	SEE SEPARATE DRILL FILES WITH {dblquote}.DRL{dblquote} SUFFIX / FOR HOLE LOCATIONS.SELECTED HOLE LOCATIONS / SHOWN ON THIS DWG FOR REF ONLY. / 3)	IMPEDANCE CONTROL REQUIRED. / Microstrip 90-Ohm Differential (USB) / 0.5334 mm width, 0.2032 mm spacing / 4) 	CONFIRM TRACE WIDTHS AND SPACINGS. / 5)	DESIGN GEOMETRY MINIMUM FEATURE SIZES: / TRACE WIDTH			0.16 mm / TRACE TO TRACE		0.20 mm / MIN. HOLE (PTH)			0.4 mm / MIN. HOLE (NPTH)		0.2 mm / ANNULAR RING			0.1 mm / COPPER TO HOLE		0.25 mm / COPPER TO EDGE		0.2 mm / HOLE TO HOLE			0.3 mm | All dimensionsarein millimeters unless otherwise specified. | Stackup Table | Top Fabrication (Scale 1:3)
User.5: 165.3° | All dimensionsarein millimeters unless otherwise specified. | Bottom Fabrication (Scale 1:3)
